# KiCad board scanhead_pcb.kicad_pcb
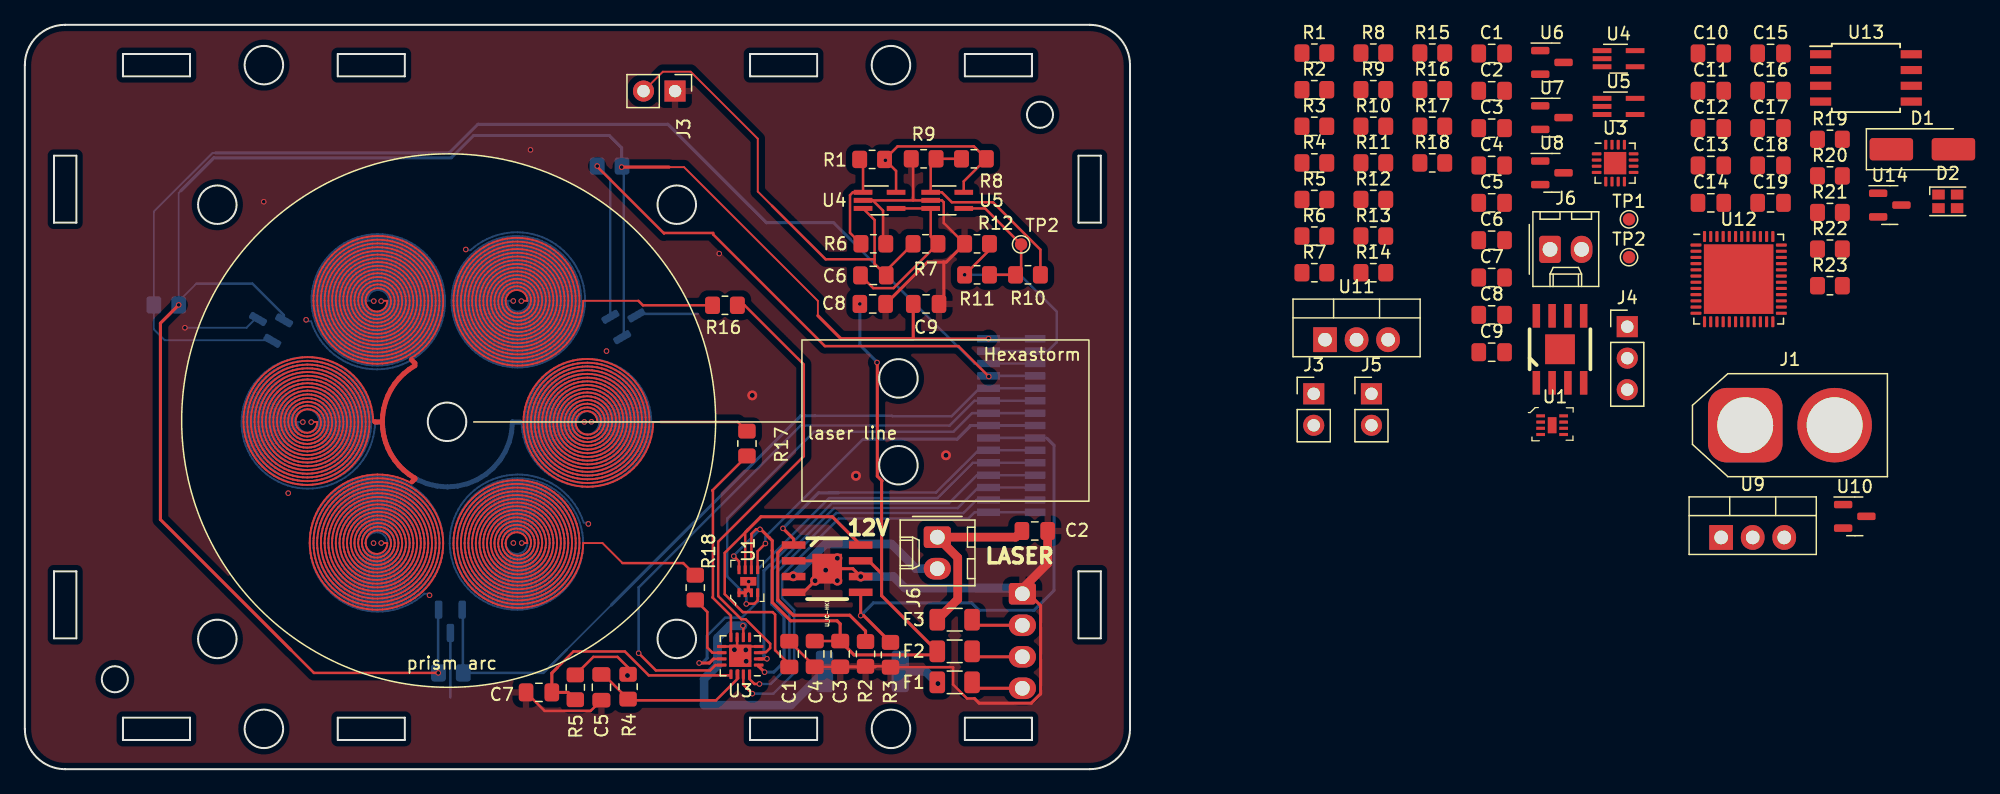
[diagram p0: board, top side]
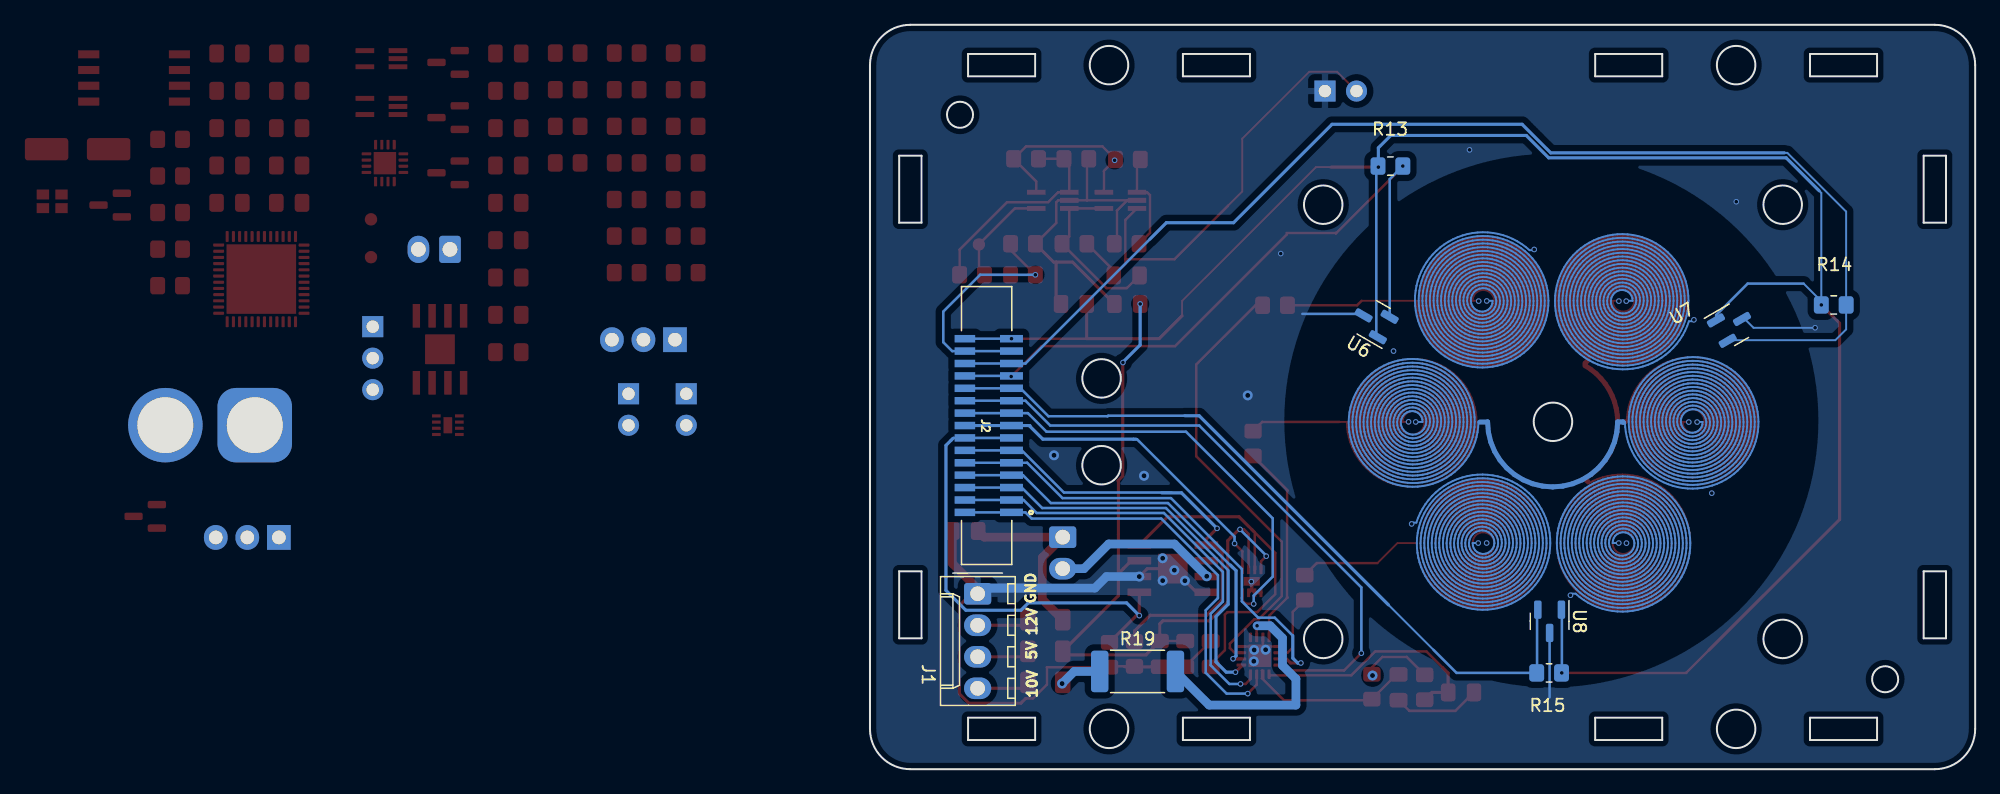
[diagram p1: board, bottom side, seen from below]

Outline 89 x 60 mm; copper layers: Top, In1.Cu, In2.Cu, Bottom. Coordinates in mm from the lower left corner of the outline.
Outline path: circle c7.25,7.25 r1.05 ; circle c15.5,45.5 r1.55 ; circle c15.5,10.5 r1.55 ; circle c19.25,56.75 r1.55 ; circle c19.25,3.25 r1.55 ; circle c34,28 r1.55 ; circle c52.5,45.5 r1.55 ; circle c52.5,10.5 r1.55 ; circle c69.75,56.75 r1.55 ; circle c69.75,3.25 r1.55 ; circle c70.35,31.5 r1.55 ; circle c70.35,24.5 r1.55 ; circle c81.75,52.75 r1.05 ; 0,56.75 arc(0.95,59.05) 3.25,60 85.75,60 arc(88.05,59.05) 89,56.75 89,3.25 arc(88.05,0.95) 85.75,0 3.25,0 arc(0.95,0.95) 0,3.25 0,56.75 ; 2.35,49.45 4.15,49.45 4.15,44.05 2.35,44.05 2.35,49.45 ; 2.35,15.95 4.15,15.95 4.15,10.55 2.35,10.55 2.35,15.95 ; 7.9,57.65 13.3,57.65 13.3,55.85 7.9,55.85 7.9,57.65 ; 7.9,4.15 13.3,4.15 13.3,2.35 7.9,2.35 7.9,4.15 ; 25.2,57.65 30.6,57.65 30.6,55.85 25.2,55.85 25.2,57.65 ; 25.2,4.15 30.6,4.15 30.6,2.35 25.2,2.35 25.2,4.15 ; 58.4,57.65 63.8,57.65 63.8,55.85 58.4,55.85 58.4,57.65 ; 58.4,4.15 63.8,4.15 63.8,2.35 58.4,2.35 58.4,4.15 ; 75.7,57.65 81.1,57.65 81.1,55.85 75.7,55.85 75.7,57.65 ; 75.7,4.15 81.1,4.15 81.1,2.35 75.7,2.35 75.7,4.15 ; 84.85,49.45 86.65,49.45 86.65,44.05 84.85,44.05 84.85,49.45 ; 84.85,15.95 86.65,15.95 86.65,10.55 84.85,10.55 84.85,15.95
Stack: Top 0.035mm / dielectric 0.48mm FR4 er 4.5 / In1.Cu 0.035mm / dielectric 0.48mm FR4 er 4.5 / In2.Cu 0.035mm / dielectric 0.48mm FR4 er 4.5 / Bottom 0.035mm

## Placement (name value [footprint] x y rotation side)
C1  47nF  [C_0805_2012Metric_Pad1.18x1.45mm_HandSolder]  61.56 9.28 270 top
C1#2  47nF  [C_0805_2012Metric_Pad1.18x1.45mm_HandSolder]  118.12 57.69 0 top
C2  1uF  [C_0805_2012Metric_Pad1.18x1.45mm_HandSolder]  81.33 19.2 180 top
C2#2  1uF  [C_0805_2012Metric_Pad1.18x1.45mm_HandSolder]  118.12 54.68 0 top
C3  1uF  [C_0805_2012Metric_Pad1.18x1.45mm_HandSolder]  65.66 9.29 90 top
C3#2  1uF  [C_0805_2012Metric_Pad1.18x1.45mm_HandSolder]  118.12 51.67 0 top
C4  0.1uF  [C_0805_2012Metric_Pad1.18x1.45mm_HandSolder]  63.61 9.29 90 top
C4#2  0.1uF  [C_0805_2012Metric_Pad1.18x1.45mm_HandSolder]  118.12 48.66 0 top
C5  10nF  [C_0805_2012Metric_Pad1.18x1.45mm_HandSolder]  46.43 6.6 270 top
C5#2  10nF  [C_0805_2012Metric_Pad1.18x1.45mm_HandSolder]  118.12 45.65 0 top
C6  220pF  [C_0805_2012Metric_Pad1.18x1.45mm_HandSolder]  68.33 39.8 0 top
C6#2  220pF  [C_0805_2012Metric_Pad1.18x1.45mm_HandSolder]  118.12 42.64 0 top
C7  100nF  [C_0805_2012Metric_Pad1.18x1.45mm_HandSolder]  118.12 39.63 0 top
C7#2  100nF  [C_0805_2012Metric_Pad1.18x1.45mm_HandSolder]  41.4 6.19 180 top
C8  1uF  [C_0805_2012Metric_Pad1.18x1.45mm_HandSolder]  68.28 37.5 0 top
C8#2  1uF  [C_0805_2012Metric_Pad1.18x1.45mm_HandSolder]  118.12 36.62 0 top
C9  10nF  [C_0805_2012Metric_Pad1.18x1.45mm_HandSolder]  72.58 37.5 0 top
C9#2  10nF  [C_0805_2012Metric_Pad1.18x1.45mm_HandSolder]  118.12 33.61 0 top
C10  4.7u  [C_0805_2012Metric_Pad1.18x1.45mm_HandSolder]  135.77 57.69 0 top
C11  0.1uF  [C_0805_2012Metric_Pad1.18x1.45mm_HandSolder]  135.77 54.68 0 top
C12  0.1u  [C_0805_2012Metric_Pad1.18x1.45mm_HandSolder]  135.77 51.67 0 top
C13  4.7u  [C_0805_2012Metric_Pad1.18x1.45mm_HandSolder]  135.77 48.66 0 top
C14  0.1u  [C_0805_2012Metric_Pad1.18x1.45mm_HandSolder]  135.77 45.65 0 top
C15  4.7u  [C_0805_2012Metric_Pad1.18x1.45mm_HandSolder]  140.58 57.69 0 top
C16  0.1u  [C_0805_2012Metric_Pad1.18x1.45mm_HandSolder]  140.58 54.68 0 top
C17  4.7u  [C_0805_2012Metric_Pad1.18x1.45mm_HandSolder]  140.58 51.67 0 top
C18  0.1u  [C_0805_2012Metric_Pad1.18x1.45mm_HandSolder]  140.58 48.66 0 top
C19  4.7u  [C_0805_2012Metric_Pad1.18x1.45mm_HandSolder]  140.58 45.65 0 top
D1  50V_1A  [D_SMA_Handsoldering]  152.81 49.97 0 top
D2  CLMVC-FKA-CLBDGL7LBB79353  [LED_Cree-PLCC4_2x2mm_CW]  154.85 45.77 0 top
F1  2A  [Fuse_1206_3216Metric]  74.88 7 180 top
F2  2A  [Fuse_1206_3216Metric]  74.88 9.5 180 top
F3  3A  [Fuse_1206_3216Metric]  74.88 12.05 0 top
J1  Connector_Generic_Conn_01x02  [AMASS_XT60-F_1x02_P7.20mm_Vertical]  138.54 27.73 0 top
J1#2  Screw_Terminal_01x04  [Molex_KK-254_AE-6410-04A_1x04_P2.54mm_Vertical]  80.33 14.14 270 bottom
J2  FPC 15 pin molex vertical  [TE_1-1734248-5]  79.63 27.7 90 bottom
J3  Conn_01x02  [PinHeader_1x02_P2.54mm_Vertical]  52.36 54.66 270 top
J3#2  Conn_01x02  [PinHeader_1x02_P2.54mm_Vertical]  103.79 30.26 0 top
J4  Conn_01x03  [PinHeader_1x03_P2.54mm_Vertical]  129.04 35.67 0 top
J5  Conn_01x02  [PinHeader_1x02_P2.54mm_Vertical]  108.44 30.26 0 top
J6  jumper wire 2 pin  [Molex_KK-254_AE-6410-02A_1x02_P2.54mm_Vertical]  73.48 18.7 270 top
J6#2  jumper wire 2 pin  [Molex_KK-254_AE-6410-02A_1x02_P2.54mm_Vertical]  122.82 41.9 0 top
R1  22K  [R_0805_2012Metric_Pad1.20x1.40mm_HandSolder]  103.84 57.72 0 top
R1#2  22K  [R_0805_2012Metric_Pad1.20x1.40mm_HandSolder]  68.23 49.15 0 top
R2  10K  [R_0805_2012Metric_Pad1.20x1.40mm_HandSolder]  67.7 9.29 90 top
R2#2  10K  [R_0805_2012Metric_Pad1.20x1.40mm_HandSolder]  103.84 54.77 0 top
R3  10K  [R_0805_2012Metric_Pad1.20x1.40mm_HandSolder]  69.71 9.22 270 top
R3#2  10K  [R_0805_2012Metric_Pad1.20x1.40mm_HandSolder]  103.84 51.82 0 top
R4  10K  [R_0805_2012Metric_Pad1.20x1.40mm_HandSolder]  48.58 6.65 270 top
R4#2  10K  [R_0805_2012Metric_Pad1.20x1.40mm_HandSolder]  103.84 48.87 0 top
R5  10K  [R_0805_2012Metric_Pad1.20x1.40mm_HandSolder]  103.84 45.92 0 top
R5#2  10K  [R_0805_2012Metric_Pad1.20x1.40mm_HandSolder]  44.33 6.6 270 top
R6  8K2  [R_0805_2012Metric_Pad1.20x1.40mm_HandSolder]  68.33 42.35 180 top
R6#2  8K2  [R_0805_2012Metric_Pad1.20x1.40mm_HandSolder]  103.84 42.97 0 top
R7  22K  [R_0805_2012Metric_Pad1.20x1.40mm_HandSolder]  72.53 42.35 0 top
R7#2  22K  [R_0805_2012Metric_Pad1.20x1.40mm_HandSolder]  103.84 40.02 0 top
R8  8K2  [R_0805_2012Metric_Pad1.20x1.40mm_HandSolder]  76.43 49.2 0 top
R8#2  8K2  [R_0805_2012Metric_Pad1.20x1.40mm_HandSolder]  108.59 57.72 0 top
R9  8K2  [R_0805_2012Metric_Pad1.20x1.40mm_HandSolder]  108.59 54.77 0 top
R9#2  8K2  [R_0805_2012Metric_Pad1.20x1.40mm_HandSolder]  72.38 49.2 0 top
R10  22K  [R_0805_2012Metric_Pad1.20x1.40mm_HandSolder]  80.78 39.85 0 top
R10#2  22K  [R_0805_2012Metric_Pad1.20x1.40mm_HandSolder]  108.59 51.82 0 top
R11  1K5  [R_0805_2012Metric_Pad1.20x1.40mm_HandSolder]  108.59 48.87 0 top
R11#2  1K5  [R_0805_2012Metric_Pad1.20x1.40mm_HandSolder]  76.68 39.85 0 top
R12  8K2  [R_0805_2012Metric_Pad1.20x1.40mm_HandSolder]  76.68 42.35 180 top
R12#2  8K2  [R_0805_2012Metric_Pad1.20x1.40mm_HandSolder]  108.59 45.92 0 top
R13  10K  [R_0805_2012Metric_Pad1.20x1.40mm_HandSolder]  108.59 42.97 0 top
R13#2  10K  [R_0805_2012Metric_Pad1.20x1.40mm_HandSolder]  47.09 48.62 180 bottom
R14  10K  [R_0805_2012Metric_Pad1.20x1.40mm_HandSolder]  108.59 40.02 0 top
R14#2  10K  [R_0805_2012Metric_Pad1.20x1.40mm_HandSolder]  11.39 37.42 180 bottom
R15  10K  [R_0805_2012Metric_Pad1.20x1.40mm_HandSolder]  113.34 57.72 0 top
R15#2  10K  [R_0805_2012Metric_Pad1.20x1.40mm_HandSolder]  34.31 7.76 0 bottom
R16  Zero  [R_0805_2012Metric_Pad1.20x1.40mm_HandSolder]  113.34 54.77 0 top
R16#2  Zero  [R_0805_2012Metric_Pad1.20x1.40mm_HandSolder]  56.38 37.39 180 top
R17  Zero  [R_0805_2012Metric_Pad1.20x1.40mm_HandSolder]  58.15 26.25 90 top
R17#2  Zero  [R_0805_2012Metric_Pad1.20x1.40mm_HandSolder]  113.34 51.82 0 top
R18  Zero  [R_0805_2012Metric_Pad1.20x1.40mm_HandSolder]  113.34 48.87 0 top
R18#2  Zero  [R_0805_2012Metric_Pad1.20x1.40mm_HandSolder]  53.99 14.64 90 top
R19  10K  [R_0805_2012Metric_Pad1.20x1.40mm_HandSolder]  145.36 50.77 0 top
R19#2  R  [R_2512_6332Metric_Pad1.40x3.35mm_HandSolder]  67.45 7.88 180 bottom
R20  10K  [R_0805_2012Metric_Pad1.20x1.40mm_HandSolder]  145.36 47.82 0 top
R21  10K  [R_0805_2012Metric_Pad1.20x1.40mm_HandSolder]  145.36 44.87 0 top
R22  100  [R_0805_2012Metric_Pad1.20x1.40mm_HandSolder]  145.36 41.92 0 top
R23  10K  [R_0805_2012Metric_Pad1.20x1.40mm_HandSolder]  145.36 38.97 0 top
TP1  Analog  [TestPoint_Pad_D1.0mm]  129.18 44.32 0 top
TP2  HSync  [TestPoint_Pad_D1.0mm]  129.18 41.27 0 top
TP2#2  HSync  [TestPoint_Pad_D1.0mm]  80.23 42.3 0 top
U1  DIGIPOT_50K  [TDFN-8-1EP]  58.26 15.15 90 top
U1#2  DIGIPOT_50K  [TDFN-8-1EP]  122.99 27.73 0 top
U2  U_IC-HKB  [ICHKB]  64.61 16.16 270 top
U2#2  U_IC-HKB  [ICHKB]  123.63 33.84 0 top
U3  STSPIN230  [VQFN-16-1EP_3x3mm_P0.5mm_EP1.8x1.8mm]  57.61 9.14 180 top
U3#2  STSPIN230  [VQFN-16-1EP_3x3mm_P0.5mm_EP1.8x1.8mm]  128.06 48.85 0 top
U4  MIC920  [SOT-353_SC-70-5_Handsoldering]  68.83 45.85 0 top
U4#2  MIC920  [SOT-353_SC-70-5_Handsoldering]  128.34 57.27 0 top
U5  MIC920  [SOT-353_SC-70-5_Handsoldering]  128.34 53.42 0 top
U5#2  MIC920  [SOT-353_SC-70-5_Handsoldering]  74.28 45.85 0 top
U6  DRV5033FAxDBZ  [SOT-23]  122.97 56.97 0 top
U6#2  DRV5033FAxDBZ  [SOT-23]  48.44 36.11 30 bottom
U7  DRV5033FAxDBZ  [SOT-23]  122.97 52.52 0 top
U7#2  DRV5033FAxDBZ  [SOT-23]  19.59 35.82 150 bottom
U8  DRV5033FAxDBZ  [SOT-23]  122.97 48.07 0 top
U8#2  DRV5033FAxDBZ  [SOT-23]  34.27 11.92 270 bottom
U9  LM7805_TO220  [TO-220-3_Vertical]  136.6 18.68 0 top
U10  MCP1700x-330xxTT  [SOT-23]  147.36 20.38 0 top
U11  LM7808_TO220  [TO-220-3_Vertical]  104.7 34.62 0 top
U12  ICE40UP5K-SG48ITR-FPGA_Lattice  [QFN-48-1EP_7x7mm_P0.5mm_EP5.6x5.6mm]  138.01 39.5 0 top
U13  S25FL064LABMFI010  [SOIC-8W_5.3x5.3mm_P1.27mm]  148.26 55.72 0 top
U14  MCP1700x-120xxTT  [SOT-23]  150.18 45.47 0 top

## Library data of the parts
C1#2 C2#2 C3#2 C4#2 C5#2 C6#2 C7 C8#2 C9#2 = -: Description: Unpolarized capacitor
C10-C19 = -: Description: Unpolarized capacitor, small symbol
D1 = -: Description: Schottky diode
F3 = -: Description: Fuse
J1 J3#2 J5 J6#2 = -: Description: Generic connector, single row, 01x02, script generated (kicad-library-utils/schlib/autogen/connector/)
J2 = -: AVAILABILITY: Unavailable; COMMENT: 1-1734248-5; DESCRIPTION: Conn FPC Connector SKT 15 POS 1mm Solder ST SMD T/R; EU_ROHS_COMPLIANCE: Compliant; MANUFACTURER: TE Connectivity; MP: 1-1734248-5; PACKAGE: None; PARTREV: E1; PRICE: None; STANDARD: Manufacturer Recommendations; TE_PURCHASE_URL: https://www.te.com/usa-en/product-1-1734248-5.html?te_bu=Cor&te_type=disp&te_campaign=seda_glo_cor-seda-global-disp-prtnr-fy19-seda-model-bom-cta_sma-317_1&elqCampaignId=32493
J4 = -: Description: Generic connector, single row, 01x03, script generated (kicad-library-utils/schlib/autogen/connector/)
R1 R2#2 R3#2 R4#2 R5 R6#2 R7#2 R8#2 R9 R10#2 R11 R12#2 R13-R16 R17#2 R18-R23 = -: Description: Resistor
TP1 TP2 = -: Description: test point
U3#2 = -: Description: Low voltage triple half-bridge motor driver, 1.8V to 10V input, 1.3Arms output, 0.4Ω Rdson per phase (typical), QFN-16 package
U6-U8 = -: Description: ±3.5 / ±2 mT, 20-kHz, 2-38V, SOT-23
U9 U11 = -: Description: Positive 1A 35V Linear Regulator, Fixed Output 5V, TO-220
U10 = -: Description: 250mA Low Quiscent Current LDO, 3.3V output, SOT-23
U14 = -: Description: 250mA Low Quiscent Current LDO, 1.2V output, SOT-23

## Footprints (pads in the part's own frame, mm; a bottom-side part is the same pattern mirrored in y, then rotated)
AMASS_XT60-F_1x02_P7.20mm_Vertical
  rrect 6x6 hole 4.5: 1(0,0)
  round 6 hole 4.5: 2(7.2,0)
C_0805_2012Metric_Pad1.18x1.45mm_HandSolder
  rrect 1.175x1.45 smd: 1(-1.038,0) 2(1.038,0)
D_SMA_Handsoldering
  rrect 3.5x1.8 smd: 1(-2.5,0) 2(2.5,0)
Fuse_1206_3216Metric
  rrect 1.25x1.75 smd: 1(-1.4,0) 2(1.4,0)
ICHKB
  rect 0.6x1.9 smd: 1(-1.905,-2.7) 2(-0.635,-2.7) 3(0.635,-2.7) 4(1.905,-2.7) 5(1.905,2.7) 6(0.635,2.7) 7(-0.635,2.7) 8(-1.905,2.7)
  rect 2.4x2.4 smd: 9(0,0)
LED_Cree-PLCC4_2x2mm_CW
  rect 1x0.8 smd: 1(-0.75,0.55) 2(0.75,0.55) 3(0.75,-0.55) 4(-0.75,-0.55)
Molex_KK-254_AE-6410-02A_1x02_P2.54mm_Vertical
  rrect 1.74x2.19 hole 1.19: 1(0,0)
  oval 1.74x2.19 hole 1.19: 2(2.54,0)
Molex_KK-254_AE-6410-04A_1x04_P2.54mm_Vertical
  rrect 1.74x2.19 hole 1.19: 1(0,0)
  oval 1.74x2.19 hole 1.19: 2(2.54,0) 3(5.08,0) 4(7.62,0)
PinHeader_1x02_P2.54mm_Vertical
  rect 1.7x1.7 hole 1: 1(0,0)
  oval 1.7x1.7 hole 1: 2(0,-2.54)
PinHeader_1x03_P2.54mm_Vertical
  rect 1.7x1.7 hole 1: 1(0,0)
  oval 1.7x1.7 hole 1: 2(0,-2.54) 3(0,-5.08)
QFN-48-1EP_7x7mm_P0.5mm_EP5.6x5.6mm
  rrect 1.13x1.13 smd: (-2.1,2.1) (-2.1,0.7) (-2.1,-0.7) (-2.1,-2.1) (-0.7,2.1) (-0.7,0.7) (-0.7,-0.7) (-0.7,-2.1) (0.7,2.1) (0.7,0.7) (0.7,-0.7) (0.7,-2.1) (2.1,2.1) (2.1,0.7) (2.1,-0.7) (2.1,-2.1)
  rrect 0.875x0.25 smd: 1(-3.438,2.75) 2(-3.438,2.25) 3(-3.438,1.75) 4(-3.438,1.25) 5(-3.438,0.75) 6(-3.438,0.25) 7(-3.438,-0.25) 8(-3.438,-0.75) 9(-3.438,-1.25) 10(-3.438,-1.75) 11(-3.438,-2.25) 12(-3.438,-2.75) 25(3.438,-2.75) 26(3.438,-2.25) 27(3.438,-1.75) 28(3.438,-1.25) 29(3.438,-0.75) 30(3.438,-0.25) 31(3.438,0.25) 32(3.438,0.75) 33(3.438,1.25) 34(3.438,1.75) 35(3.438,2.25) 36(3.438,2.75)
  rrect 0.25x0.875 smd: 13(-2.75,-3.438) 14(-2.25,-3.438) 15(-1.75,-3.438) 16(-1.25,-3.438) 17(-0.75,-3.438) 18(-0.25,-3.438) 19(0.25,-3.438) 20(0.75,-3.438) 21(1.25,-3.438) 22(1.75,-3.438) 23(2.25,-3.438) 24(2.75,-3.438) 37(2.75,3.438) 38(2.25,3.438) 39(1.75,3.438) 40(1.25,3.438) 41(0.75,3.438) 42(0.25,3.438) 43(-0.25,3.438) 44(-0.75,3.438) 45(-1.25,3.438) 46(-1.75,3.438) 47(-2.25,3.438) 48(-2.75,3.438)
  rect 5.6x5.6 smd: 49(0,0)
R_0805_2012Metric_Pad1.20x1.40mm_HandSolder
  rrect 1.2x1.4 smd: 1(-1,0) 2(1,0)
R_2512_6332Metric_Pad1.40x3.35mm_HandSolder
  rrect 1.4x3.35 smd: 1(-3.05,0) 2(3.05,0)
SOIC-8W_5.3x5.3mm_P1.27mm
  rect 1.7x0.65 smd: 1(-3.65,1.905) 2(-3.65,0.635) 3(-3.65,-0.635) 4(-3.65,-1.905) 5(3.65,-1.905) 6(3.65,-0.635) 7(3.65,0.635) 8(3.65,1.905)
SOT-23
  rrect 1.475x0.6 smd: 1(-0.938,0.95) 2(-0.938,-0.95) 3(0.938,0)
SOT-353_SC-70-5_Handsoldering
  rect 1.5x0.4 smd: 1(-1.33,0.65) 2(-1.33,0) 3(-1.33,-0.65) 4(1.33,-0.65) 5(1.33,0.65)
TDFN-8-1EP
  rect 0.7x0.25 smd: 1(-0.925,0.75) 2(-0.925,0.25) 3(-0.925,-0.25) 4(-0.925,-0.75) 5(0.925,-0.75) 6(0.925,-0.25) 7(0.925,0.25) 8(0.925,0.75)
  rect 0.7x1.3 smd: 9(0,0)
TE_1-1734248-5
  rect 0.6x1.85 smd: 1(-7,-2.025) 2(-6,-2.025) 3(-5,-2.025) 4(-4,-2.025) 5(-3,-2.025) 6(-2,-2.025) 7(-1,-2.025) 8(0,-2.025) 9(1,-2.025) 10(2,-2.025) 11(3,-2.025) 12(4,-2.025) 13(5,-2.025) 14(6,-2.025) 15(7,-2.025)
  rect 0.6x1.65 smd: 1_1(-7,1.725) 2_1(-6,1.725) 3_1(-5,1.725) 4_1(-4,1.725) 5_1(-3,1.725) 6_1(-2,1.725) 7_1(-1,1.725) 8_1(0,1.725) 9_1(1,1.725) 10_1(2,1.725) 11_1(3,1.725) 12_1(4,1.725) 13_1(5,1.725) 14_1(6,1.725) 15_1(7,1.725)
TestPoint_Pad_D1.0mm
  round 1 smd: 1(0,0)
TO-220-3_Vertical
  rect 1.905x2 hole 1.1: 1(0,0)
  oval 1.905x2 hole 1.1: 2(2.54,0) 3(5.08,0)
VQFN-16-1EP_3x3mm_P0.5mm_EP1.8x1.8mm
  rrect 0.73x0.73 smd: (-0.45,0.45) (-0.45,-0.45) (0.45,0.45) (0.45,-0.45)
  rrect 0.775x0.25 smd: 1(-1.488,0.75) 2(-1.488,0.25) 3(-1.488,-0.25) 4(-1.488,-0.75) 9(1.488,-0.75) 10(1.488,-0.25) 11(1.488,0.25) 12(1.488,0.75)
  rrect 0.25x0.775 smd: 5(-0.75,-1.488) 6(-0.25,-1.488) 7(0.25,-1.488) 8(0.75,-1.488) 13(0.75,1.488) 14(0.25,1.488) 15(-0.25,1.488) 16(-0.75,1.488)
  rect 1.8x1.8 smd: 17(0,0)

## Nets
+1V2: R22.1 U12.5 U12.30 U14.2
+3V3: C9.1 C9#2.1 C10.1 C11.1 C12.1 C13.1 C14.1 C15.1 C18.1 C19.1 D1.2 D2.1 R13.1 R13#2.1 R14.1 R14#2.1 R15.1 R15#2.1 R19.2 R20.1 R21.1 R23.2 U6.1 U6#2.1 U7.1 U7#2.1 U8.1 U8#2.1 U10.2 U12.1 U12.22 U12.33 U13.8 U14.3
+5V: C3.2 C3#2.2 C4.2 C4#2.2 C8.1 C8#2.1 F2.2 R1.2 R1#2.2 R4.1 R4#2.1 R5.1 R5#2.1 R8.2 R8#2.2 U1.6 U1.8 U1#2.6 U1#2.8 U2.7 U2#2.7 U4.5 U4#2.5 U5.5 U5#2.5 U9.3 U10.3
+8V: U3#2.6 U11.3
+10V: R19#2.2 U3.6
+12V: C2.2 C2#2.2 F3.1 J6.1 J6#2.1 U9.1 U11.1
GND: C1.1 C1#2.1 C2.1 C2#2.1 C3.1 C3#2.1 C4.1 C4#2.1 C5.2 C5#2.2 C7.2 C7#2.2 C8.2 C8#2.2 C9.2 C9#2.2 C10.2 C11.2 C12.2 C13.2 C14.2 C15.2 C16.1 C17.1 C18.2 C19.2 J1.1 J1#2.1 J2.1 J2.1_1 J3.1 J3#2.1 J5.1 R2.1 R2#2.1 R3.2 R3#2.2 R6.1 R6#2.1 R9.1 R9#2.1 R12.2 R12#2.2 U1.1 U1.2 U1.3 U1.9 U1#2.1 U1#2.2 U1#2.3 U1#2.9 U2.2 U2.4 U2.6 U2.9 U2#2.2 U2#2.4 U2#2.6 U2#2.9 U3.4 U3.7 U3.9 U3.17 U3#2.4 U3#2.7 U3#2.9 U3#2.17 U4.2 U4#2.2 U5.2 U5#2.2 U6.3 U6#2.3 U7.3 U7#2.3 U8.3 U8#2.3 U9.2 U10.1 U11.2 U12.49 U13.4 U14.1
ANALOG: C6.1 R7.2 U4.4 U5#2.3
CFG_DONE: J2.5 J2.5_1 R20.2 U12.7 U12.46
CFG_RST: J2.6 J2.6_1 R21.2 U12.8
DIGITAL: R11.1 R11#2.1 R12.1 R12#2.1 U12.38
HALL1: R15.2 R15#2.2 U8.2 U8#2.2 U12.34
HALL2: R13.2 R13#2.2 U6.2 U6#2.2 U12.36
HALL3: R14.2 R14#2.2 U7.2 U7#2.2 U12.37
IC_HB_PWM1: R3.1 R3#2.1 U2.5 U2#2.5 U12.31
IC_HB_PWM2: R2.2 R2#2.2 U2.1 U2#2.1 U12.28
LDK: J6.2 J6#2.2 U2.3 U2#2.3
PH1: R16#2.2 R17.2 R18#2.2
POT_SCL: J2.12 J2.12_1 U1.5 U1#2.5
POT_SDA: J2.13 J2.13_1 U1.4 U1#2.4
POT_W: C1.2 C1#2.2 U1.7 U1#2.7 U2.8 U2#2.8
PWM1H: U3.2
PWM1L: U3.1
PWM2H: U3.16
PWM2L: U3.15
PWM3H: U3.12
PWM3L: U3.11
RGB0: D2.4 U12.39
RGB1: D2.3 U12.40
RGB2: D2.2 U12.41
SD_IO2: J2.14 J2.14_1 R19.1 U12.10 U13.3
SD_IO3: J2.15 J2.15_1 R23.1 U12.20 U13.7
SPI_SCK: J2.9 J2.9_1 U12.15 U12.18 U13.6
SPI_SI: J2.7 J2.7_1 U12.17 U12.21 U13.2
SPI_SO: J2.8 J2.8_1 U12.14 U12.19 U13.5
SPI_SS: J2.10 J2.10_1 U12.16 U13.1
SPI_SS2: J2.11 J2.11_1 U12.13
u: J4.3 R16.2
uH: U3#2.2 U12.26
uL: U3#2.1 U12.25
v: J4.2 R17#2.2
vH: U3#2.16 U12.23
vL: U3#2.15 U12.9
w: J4.1 R18.2
wH: U3#2.12 U12.32
wL: U3#2.11 U12.27
X_DIR: J2.3 J2.3_1 U12.4
X_PO: J2.2 J2.2_1 U12.3
X_STEP: J2.4 J2.4_1 U12.6
Net-(C5-Pad1): C5.1 R4.2 U3.14
Net-(C6-Pad2): C6.2 J3.2 R7.1 U4.3
Net-(C7-Pad1): C7#2.1 R5#2.2 U3.13
Net-(D1-K): D1.1 U12.24
Net-(F1-Pad1): F1.1 J1#2.4
Net-(F1-Pad2): F1.2 R19#2.1
Net-(F2-Pad1): F2.1 J1#2.3
Net-(F3-Pad2): J1#2.2
Net-(J1-Pin_2): F3.2 J1.2
Net-(J3-Pin_2): C6#2.2 J3#2.2 J5.2 R7#2.1 U4#2.3
Net-(R1-Pad1): R1#2.1 R6.2 U4.1
Net-(R10-Pad1): R10.1 R10#2.1 R11.2 R11#2.2 TP2.1 TP2#2.1 U5.4 U5#2.4
Net-(R10-Pad2): R8.1 R9#2.2 R10.2 U5#2.1
Net-(R16-Pad1): R16#2.1 U3.3
Net-(R17-Pad1): R17.1 U3.8
Net-(R18-Pad1): R18#2.1 U3.10
Net-(U3-EN/FLT): C7.1 R5.2 U3#2.13
Net-(U3-OUTU): R16.1 U3#2.3
Net-(U3-OUTV): R17#2.1 U3#2.8
Net-(U3-OUTW): R18.1 U3#2.10
Net-(U3-STBY): C5#2.1 R4#2.2 U3#2.14
Net-(U4-+): R1.1 R6#2.2 U4#2.1
Net-(U5-+): R8#2.1 R9.2 R10#2.2 U5.1
Net-(U5--): C6#2.1 R7#2.2 TP1.1 U4#2.4 U5.3
Net-(U12D-VCCPLL): C16.2 C17.2 R22.2 U12.29

Pads without a net: U3 5; U3#2 5; U12 2 11 12 35 42 43 44 45 47 48

## Via types
v1: diameter 0.8, hole 0.4, Top to Bottom, 14 vias
v2: diameter 0.45, hole 0.3, Top to Bottom, 46 vias

## Routing (per net, layer and track width the routed paths; a pad name or vN(x,y) marks a point on that pad's centre or on a via; arc(x,y) is an arc through that point)
+3V3: length 166.1
  Top w0.15: 63.86,36.55 63.86,37.75 53.08,48.53 51.88,48.53
  Top w0.2: v2(77.61,34.7) 71.53,34.7 ; v2(33.29,7.76) 23.28,7.76 21.42,9.61
  Top w0.25: v2(12.39,37.42) 10.92,35.95 10.92,20.12 21.42,9.61 ; C9.1 71.54,34.71 71.53,34.7 65.71,34.7 63.86,36.55 ; v2(48.06,48.53) 51.88,48.53
  Bottom w0.15: 48.11,48.48 v2(48.06,48.53) ; 12.56,46.62 12.39,46.45 v2(12.39,37.42) 12.39,37.72 13.81,39.14
  Bottom w0.2: 20.86,36.37 20.86,36.6 18.32,39.14 13.81,39.14 ; R15#2.1 33.28,7.79 33.28,12.82 U8#2.1 ; 48.09,34.94 48.23,35.08 48.23,48.36 v2(48.06,48.53) ; v2(77.61,34.7) 81.36,34.7
  Bottom w0.25: v2(48.06,48.53) 48.06,50.08 47.06,51.08 36.15,51.08 34.35,49.28 15.22,49.28 12.56,46.62
+5V: length 113.9
  Top w0.2: U5#2.5 75.61,47.38 R8.2 76.43,50.2 70.28,50.2 R1#2.2 v2(69.3,49.08) 70.16,48.22 U4.5 ; C4.2 C3.2 ; v2(59.2,19.33) 58.88,19.33 58.51,18.96 U1.6 ; R5#2.1 45.78,9.05 47.73,9.05 48.58,8.2 R4.1 ; v2(57.09,17.17) 57.51,16.75 U1.8
  Top w0.25: 68.99,15.31 68.99,23.22 69.02,23.25 68.65,23.62 68.65,32.79 ; 68.99,15.31 68.99,13.99 F2.2 73.19,9.21 66.77,9.21 C3.2 65.66,11.71 65.41,11.96 61.67,11.96 60.19,13.45 60.19,17.63 60.19,17.63 60.19,18.42 59.96,18.65 59.95,18.65 59.27,19.33 v2(59.2,19.33) ; 68.99,15.31 68.99,15.76 67.96,16.8 U2.7
  In1.Cu w0.15: v2(69.3,49.08) 67.24,47.02 v2(67.24,37.5)
  In1.Cu w0.2: v1(48.53,7.55) 48.38,7.7 48.38,10.78 50.47,12.87 52.5,12.87 56.8,17.17 v2(57.09,17.17)
  Bottom w0.2: v2(59.2,19.33) 57.09,17.22 v2(57.09,17.17)
  Bottom w0.25: 68.65,32.79 67.24,34.2 v2(67.24,37.5)
  vias: v2(68.63,32.78)
+10V: length 20.1
  Top w0.2: U3.6 57.86,11.53 v2(57.83,11.56)
  Bottom w0.7: v2(57.83,11.56) 56.77,11.56 55.78,10.57 55.78,8.36 54.7,7.28 54.7,5.17 61.69,5.17 R19#2.2
+12V: length 15
  Top w0.7: C2.2 79.79,18.7 J6.1 75.12,17.06 75.12,13.69 F3.1
GND: length 125.1
  Top w0.2: R12.2 74,44.03 74,45.7 73.85,45.85 U5#2.2 71.53,45.85 ; 71.53,45.85 U4.2 68.28,45.85 69.11,45.02 69.11,42.57 R6.1 ; 71.53,45.85 71.53,49.05 R9#2.1 ; U3.9 56.88,9.89 v1(57.14,9.63) 57.36,9.85 U3.7 ; C3.1 C4.1 63.61,8.27 C1.1 ; v1(58.06,9.61) 58.34,9.89 U3.4 ; C5.2 45.57,4.7 41.85,4.7 C7#2.2 ; R2.1 69.64,8.29 R3.2 74.75,8.22 74.75,6.82 75.87,5.7 76.47,5.7
  Top w0.25: U2.2 63.98,16.8 U2.9 ; 74,40.87 72.69,40.87 C8.2 ; 74,40.87 74,37.89 C9.2 ; 74,40.87 74.2,40.87 R12.2 ; 66.11,8.27 66.13,8.25 68.48,8.25 ; 80.38,14.6 81.8,13.18 81.8,6.08 81.04,5.32 76.85,5.32 76.47,5.7 ; U2.9 v1(64.49,16.04) v1(63.64,15.19) 62.7,14.26 U2.4 ; U2.9 66.67,16.16 v1(67.31,15.53) ; U1.3 58.26,14.47 U1.9 58.26,14.47 U1.2 U1.1
  Top w0.7: 80.38,14.6 82.37,16.59 C2.1
  Bottom w0.15: v2(12.89,35.58) 17.85,35.58 18.76,36.49
  Bottom w0.2: 49.24,36.7 54.18,36.7 ; U8#2.3 34.27,5.78
  Bottom w0.7: 76.59,14.6 79.87,14.6 J1#2.1 ; 76.59,14.6 70.88,14.6 69.95,15.53 v1(67.31,15.53) ; 76.59,14.6 80.38,14.6
  vias: v1(58.09,8.7) v1(58.58,30.13) v1(65.43,17) v1(65.43,15.2) v1(66.93,23.65) v1(74.18,25.3) v2(19.24,45.74) v2(40.72,49.92) v2(55.92,41.56) v2(58.29,15.12) v2(58.58,6.09)
ANALOG: length 14
  Top w0.2: U4.4 U5#2.3 72.95,42.93 R7.2 69.96,38.78 68.32,38.78 C6.1
DIGITAL: length 20.2
  Top w0.2: R12.1 77.68,41.85 v2(75.68,39.85)
  Bottom w0.2: v2(75.68,39.85) 80.13,39.85 83.1,36.88 83.1,34.42 82.38,33.7 77.61,33.7
HALL1: length 60.7
  Bottom w0.15: 43.61,9.61 47.24,13.24
  Bottom w0.2: U8#2.2 35.28,12.8 35.28,7.79 R15#2.2 41.76,7.76 43.61,9.61 ; 63.64,28.49 69.82,28.49 69.86,28.45 74.63,28.45 76.88,30.7 77.61,30.7 81.36,30.7
  Bottom w0.25: 47.24,13.24 62.49,28.49 63.64,28.49
HALL2: length 54.9
  Top w0.2: 46.07,48.59 51.47,43.18 51.51,43.22 55.43,43.22 55.43,43.1 64.43,34.1 75.18,34.1 v2(77.63,31.65)
  Bottom w0.2: 77.61,31.7 81.36,31.7 ; v2(46.09,48.62) 47.14,47.56 47.14,36.58
HALL3: length 101.1
  Bottom w0.15: 15.37,49.68 15.13,49.68 10.39,44.94 R14#2.2 10.39,35.45 11.26,34.58 19.76,34.58
  Bottom w0.2: 81.36,32.7 77.61,32.7 76.48,32.7 66.45,42.73
  Bottom w0.25: 66.45,42.73 65.13,44.05 59.72,44.05 51.79,51.98 36.48,51.98 34.18,49.68 15.37,49.68
IC_HB_PWM1: length 39.5
  Top w0.25: U2.5 v2(67.31,12.38) 67.55,12.38 R3.1
  Bottom w0.2: 82.48,26.5 82.28,26.7 77.61,26.7
  Bottom w0.25: 82.33,26.65 82.88,26.1 82.88,14.41 81.28,12.81 76.84,12.81 76.24,13.41 68.34,13.41 v2(67.31,12.38)
IC_HB_PWM2: length 40.3
  Top w0.25: U2.1 61.26,18.07 60.64,17.44 60.64,13.63 60.66,13.63 61.88,12.41 66.43,12.41 67.7,11.14 R2.2 ; U2.1 61.31,18.07 ; U2.1 61.91,18.55 v2(61.05,19.41)
  Bottom w0.2: 81.36,25.7 77.61,25.7 76.78,25.7 73.38,22.3 64.72,22.3
  Bottom w0.25: 65.51,22.27 63.91,22.27 v2(61.05,19.41)
LDK: length 13.5
  Bottom w0.7: J6.2 71.77,16.16 69.78,18.15 64.48,18.15 v1(61.88,15.55)
PH1: length 7427.9